# Altium PCB Metis 2023 (PCB) - Main.PcbDoc (part 1 of 2)
Units mm, origin at the board's own origin, x right, y up, seen from the top; angles counter-clockwise.
Board outline 177.99 x 118.99 mm, 2 copper layers (Top Layer, Bottom Layer); 121 components, 124 nets, 578 pads, 112 vias.
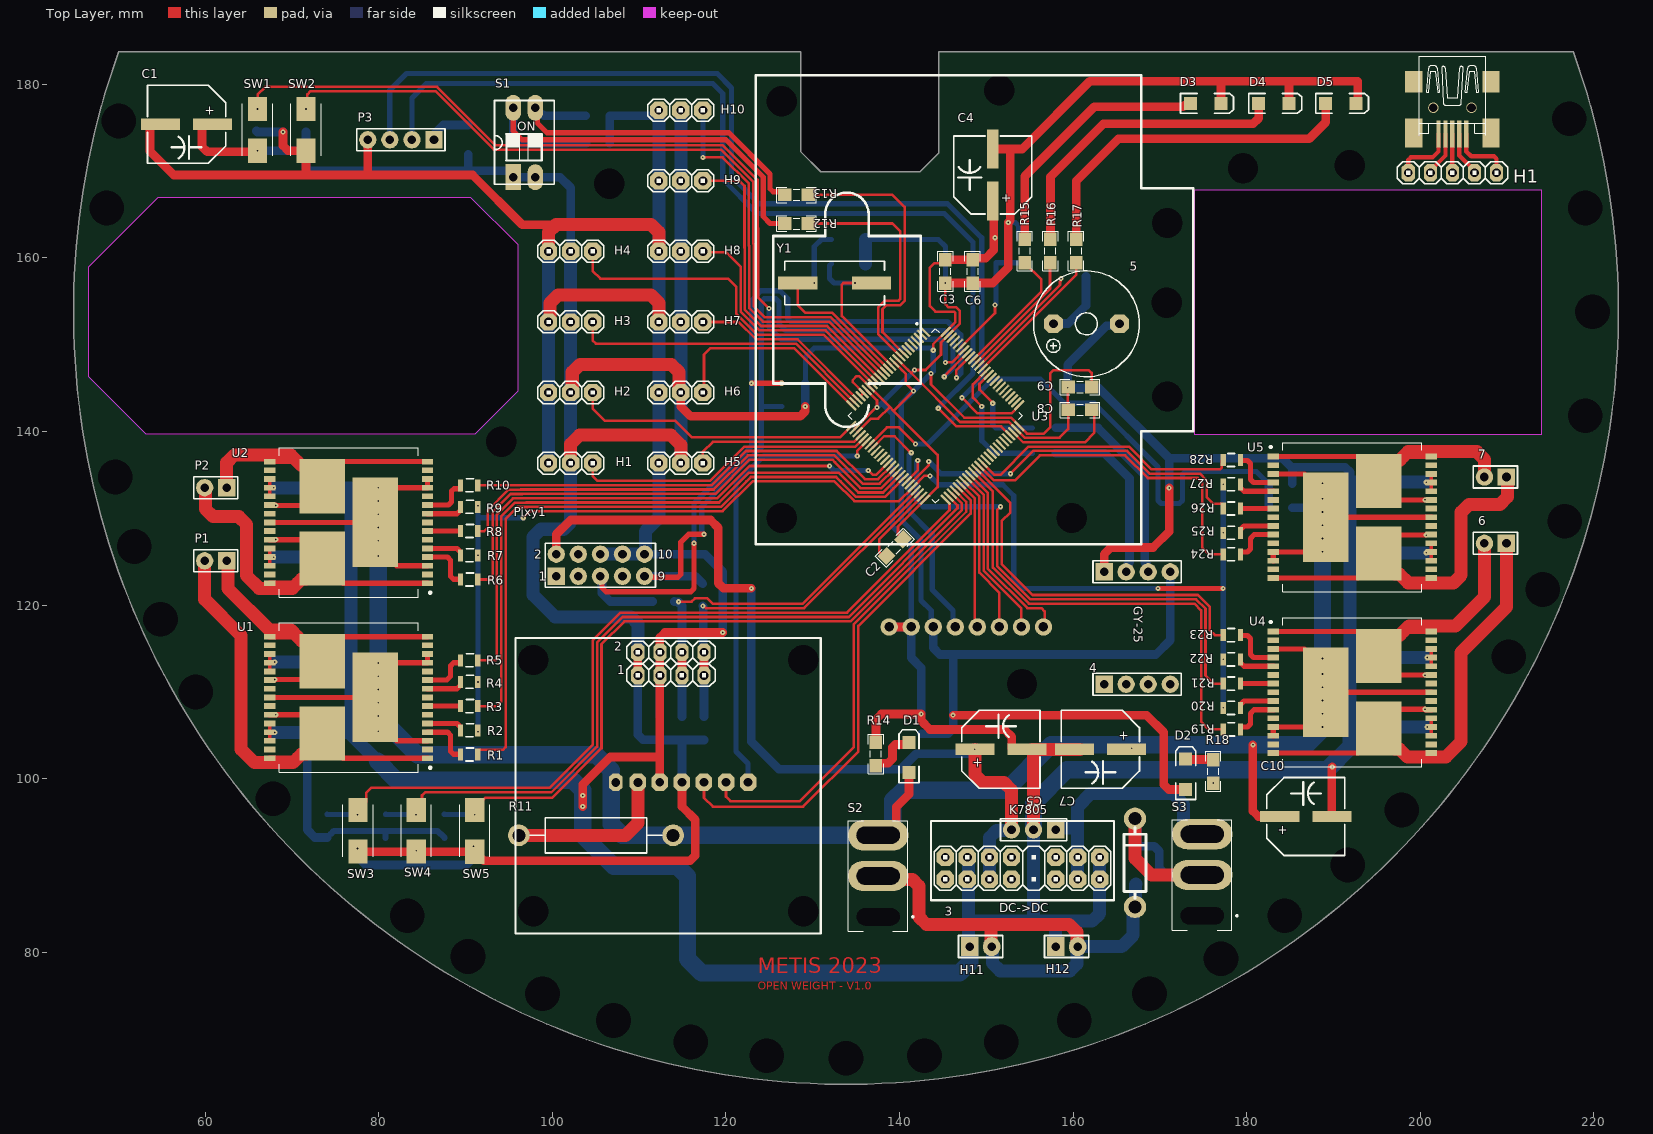
[diagram p0: Top Layer view]
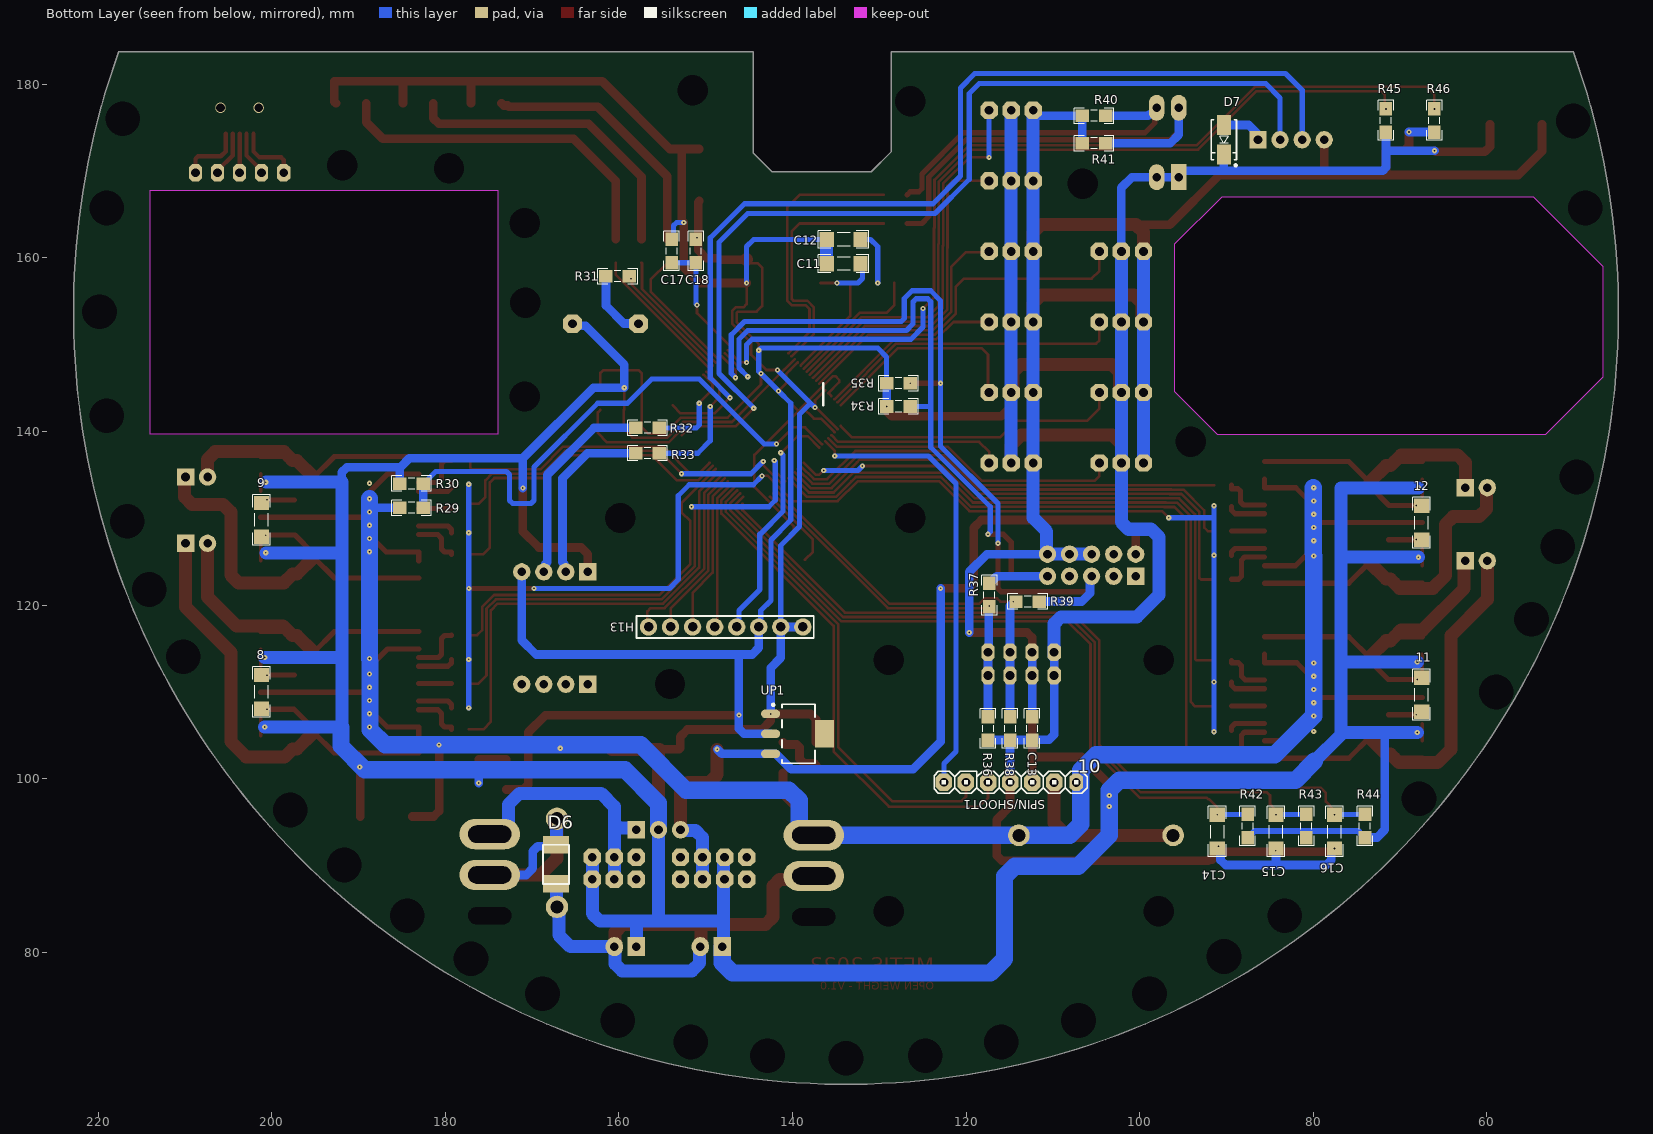
[diagram p1: Bottom Layer view, seen from below]
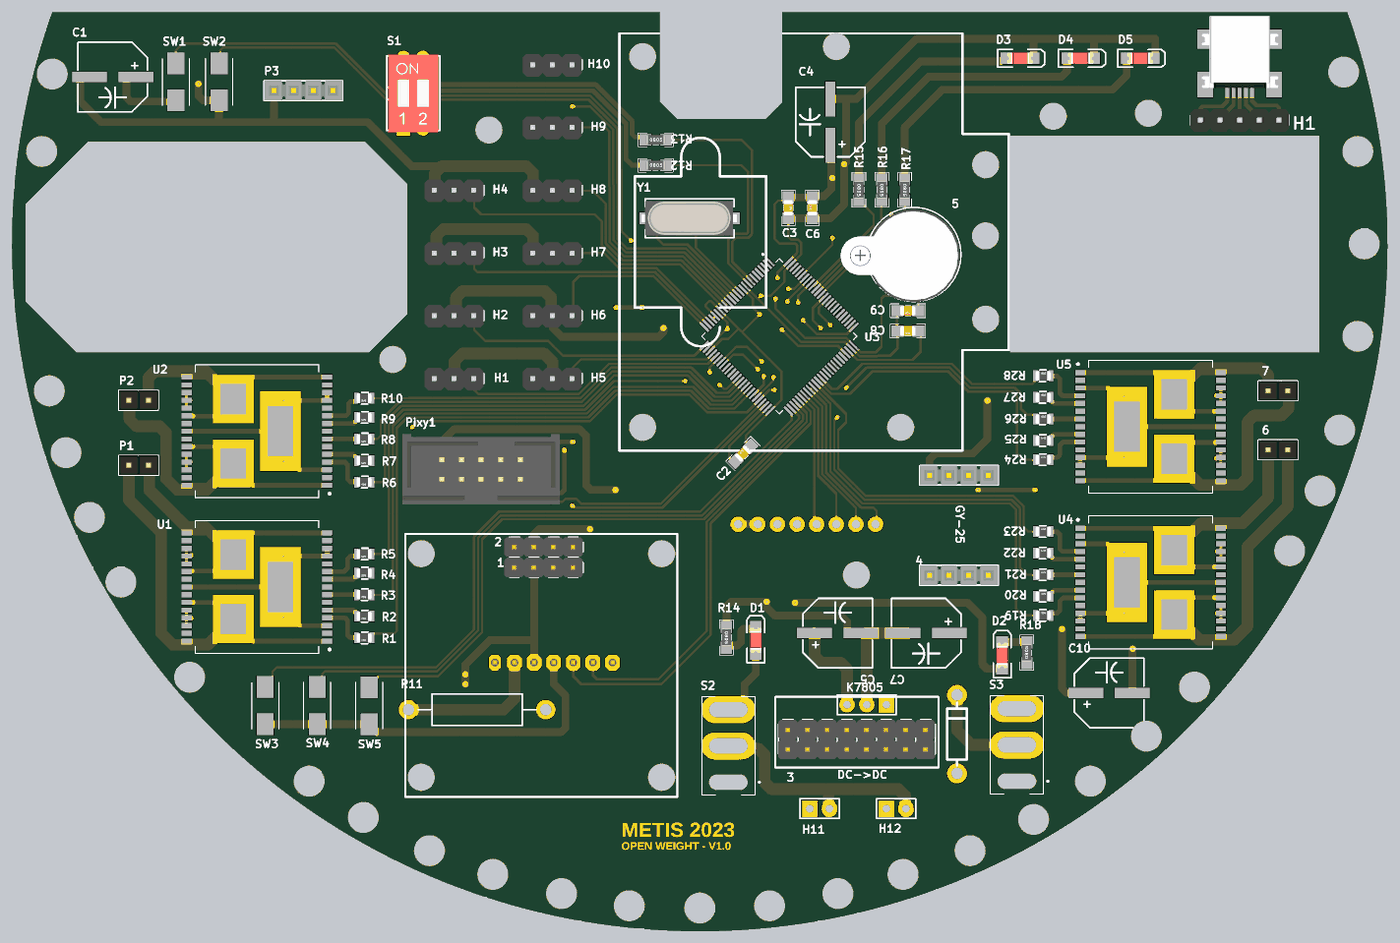
[diagram p3: 3D render of the assembled board from above, using the file's embedded part models]
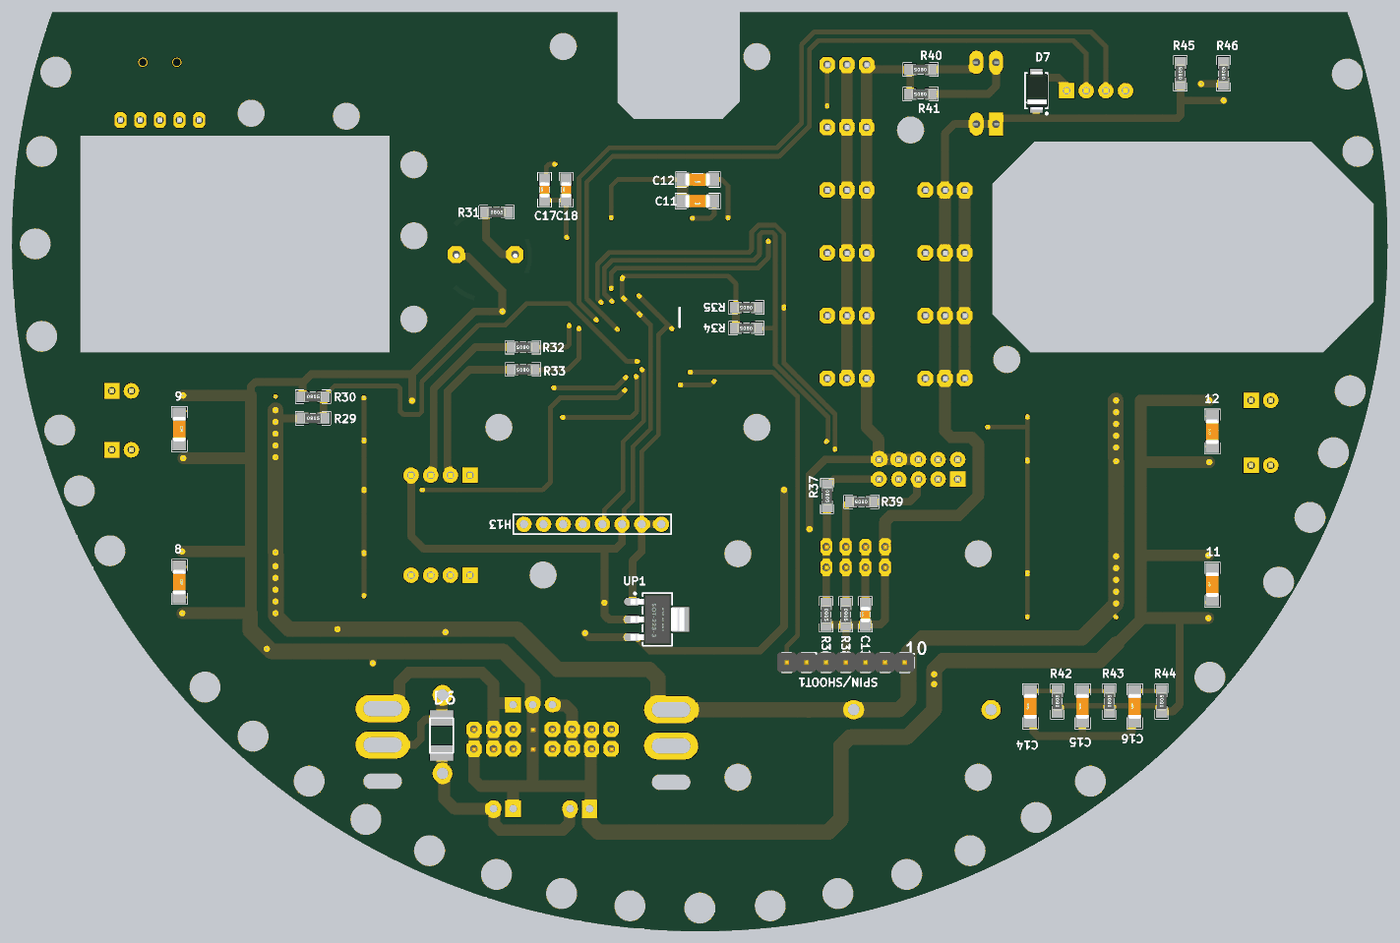
[diagram p4: 3D render of the assembled board from below, using the file's embedded part models]

## Layer stack, top to bottom
Top Solder: solder mask 0.0102, Solder Resist, Dk 3.5
Top Layer: signal copper 0.0356
Dielectric 1: dielectric 0.32, FR-4, Dk 4.8
Bottom Layer: signal copper 0.0356
Bottom Solder: solder mask 0.0102, Solder Resist, Dk 3.5

## Board outline
130.937,169.926 128.651,172.212 128.651,183.767 50.043,183.767 ccw(c133.838,153.777) 217.633,183.767 144.526,183.767 144.526,172.085 142.367,169.926
cut-out: 173.99,167.767 173.99,139.7 213.995,139.7 213.995,167.767
cut-out: 54.61,167.005 90.551,167.005 96.012,161.544 96.012,144.653 91.059,139.7 53.213,139.7 46.609,146.304 46.609,159.004

## Design rules (kind name [scope] priority, off if disabled: settings)
Clearance [All] p1: gap=0.03 ignorepadtopadclearanceinfootprint=FALSE except(0.2: Arc-Arc Arc-Track Arc-SMDPad Arc-THPad Arc-Via Arc-Fill Arc-Poly Arc-Region Arc-Text Arc-Hole Track-Track Track-SMDPad Track-THPad Track-Via Track-Fill Track-Poly Track-Region Track-Text Track-Hole)
PolygonConnect [All] p1: connectstyle=Relief reliefconductorwidth=0.254 reliefentries=4 polygonreliefangle="90 Angle" airgapwidth=0.254
RoutingVias [All] p1: holewidth=2 width=2 viastyle="Through Hole" minholewidth=0.1 minwidth=0.1 maxholewidth=0.711 maxwidth=1.27
SolderMaskExpansion [All] p1: expansion=0.102 istentingtop=FALSE
Width [All] p1: maxlimit=10 minlimit=0.1 preferedwidth=0.254
30 further rules are at their usual default settings.

## Components (designator, comment, footprint, x,y, rotation, side; value= is the part's Value field where it differs from the comment)
1 "Comment" My_1X04 113.665,111.887 r180 top
2 "Comment" My_1X04 113.665,114.554 r180 top
3 "Comment" My_2X08 154.178,89.662 r0 top
4 "Header 4" HDR1X4 163.576,110.871 r0 top
5 "Comment" My_Buzzer 161.544,152.4 r180 top
6 "Header 2" HDR1X2#1 209.931,127.111 r180 top (schematic designator P3)
7 "Header 2" HDR1X2#1 209.931,134.747 r180 top (schematic designator P4)
8 "0.1uF" CAPC4817X12N 201.192,109.994 r270 bottom (schematic designator C3)
9 "0.1uF" CAPC4817X12N 201.192,129.801 r270 bottom (schematic designator C4)
10 "Comment" My_1X02 109.855,99.568 r0 bottom
11 "0.1uF" CAPC4817X12N 67.51,109.663 r90 bottom (schematic designator C4)
12 "0.1uF" CAPC4817X12N 67.51,129.47 r90 bottom (schematic designator C3)
C1 "100nF" "Cap SMD 100UF 35~50v" 57.864,175.387 r0 top (schematic designator C10)
C2 "Comment" CAPC3413X12N 139.446,126.619 r45 top
C3 "Comment" CAPC3413X12N 145.288,158.449 r270 top
C4 "100nF" "Cap SMD 100UF 35~50v" 150.749,169.545 r270 top (schematic designator C10)
C5 "100nF" "Cap SMD 100UF 35~50v" 151.686,103.378 r180 top (schematic designator C6)
C6 "Comment" CAPC3413X12N 148.421,158.449 r90 top
C7 "100nF" "Cap SMD 100UF 35~50v" 163.147,103.378 r0 top
C8 "Comment" CAPC3413X12N 160.782,142.494 r180 top
C9 "Comment" CAPC3413X12N 160.782,145.121 r180 top
C10 "100nF" "Cap SMD 100UF 35~50v" 186.817,95.631 r180 top
C11 "0.1uF" CAPC4817X12N 134.112,159.32 r0 bottom
C12 "0.1uF" CAPC4817X12N 134.112,162.114 r0 bottom
C13 "Comment" CAPC3413X12N 112.395,105.791 r90 bottom
C14 "0.1uF" CAPC4817X12N 91.059,93.898 r90 bottom (schematic designator C12)
C15 "0.1uF" CAPC4817X12N 84.303,93.898 r90 bottom (schematic designator C12)
C16 "0.1uF" CAPC4817X12N 77.546,93.898 r90 bottom (schematic designator C12)
C17 "Comment" CAPC3413X12N 153.924,160.782 r90 bottom
C18 "Comment" CAPC3413X12N 151.13,160.782 r90 bottom
D1 "SMD 1206 LED" "LED 1206" 141.097,102.437 r90 top (schematic designator D2)
D2 "SMD 1206 LED" "LED 1206" 172.974,100.485 r90 top
D3 "SMD 1206 LED" "LED 1206" 175.288,177.8 r0 top (schematic designator D2)
D4 "SMD 1206 LED" "LED 1206" 183.134,177.8 r0 top (schematic designator D2)
D5 "SMD 1206 LED" "LED 1206" 190.853,177.8 r0 top (schematic designator D2)
D6 "Comment" SS3M(SMB) 167.259,90.17 r90 bottom
D7 "1n4007" DIOM4629X24N 90.297,173.609 r270 bottom (schematic designator D5)
DC->DC "" DIODE0.4 167.132,85.217 r90 top
GY-25 "Header 4" HDR1X4 163.576,123.825 r0 top
H1 "Comment" My_1X05 203.708,169.799 r0 top
H1 "Comment" My_1X03 102.108,136.357 r0 top
H2 "Comment" My_1X03 102.108,144.485 r0 top
H3 "Comment" My_1X03 102.108,152.613 r0 top
H4 "Comment" My_1X03 102.108,160.741 r0 top
H5 "Comment" My_1X03 114.808,136.357 r0 top
H6 "Comment" My_1X03 114.808,144.485 r0 top
H7 "Comment" My_1X03 114.808,152.613 r0 top
H8 "Comment" My_1X03 114.808,160.741 r0 top
H9 "Comment" My_1X03 114.808,168.869 r0 top
H10 "Comment" My_1X03 114.808,176.997 r0 top
H11 "Header 2" HDR1X2#2 148.082,80.645 r0 top
H12 "Header 2" HDR1X2#3 157.988,80.645 r0 top
H13 "Header 8" "HEADER 8" 138.811,117.475 r0 bottom (schematic designator *)
K7805 "Comment" HDR1X3 157.988,94.107 r180 top
P1 "Header 2" HDR1X2#1 62.484,125.095 r180 top (schematic designator P4)
P2 "Header 2" HDR1X2#1 62.484,133.52 r180 top (schematic designator P3)
P3 "Header 4" HDR1X4 86.36,173.609 r180 top (schematic designator P6)
Pixy1 "Comment" MY_HDR2X5 105.537,124.587 r0 top
R1 "Comment" MY_RES_SMD_0805 90.408,102.765 r180 top
R2 "Comment" MY_RES_SMD_0805 90.408,105.559 r180 top
R3 "Comment" MY_RES_SMD_0805 90.408,108.353 r180 top
R4 "Comment" MY_RES_SMD_0805 90.408,111.147 r180 top
R5 "Comment" MY_RES_SMD_0805 90.408,113.624 r180 top
R6 "Comment" MY_RES_SMD_0805 90.408,122.932 r180 top
R7 "Comment" MY_RES_SMD_0805 90.408,125.726 r180 top
R8 "Comment" MY_RES_SMD_0805 90.408,128.52 r180 top
R9 "Comment" MY_RES_SMD_0805 90.408,131.314 r180 top
R10 "Comment" MY_RES_SMD_0805 90.408,133.791 r180 top
R11 "Comment" AXIAL-0.7 105.029,93.472 r0 top
R12 "1K" RESC3413X04N 128.143,163.957 r0 top (schematic designator R23)
R13 "1K" RESC3413X04N 128.143,167.259 r0 top (schematic designator R23)
R14 "1K" RESC3413X04N 137.287,102.837 r270 top (schematic designator R22)
R15 "1K" RESC3413X04N 154.432,160.782 r270 top (schematic designator R23)
R16 "1K" RESC3413X04N 157.395,160.782 r270 top (schematic designator R23)
R17 "1K" RESC3413X04N 160.359,160.782 r270 top (schematic designator R23)
R18 "1K" RESC3413X04N 176.149,100.838 r90 top (schematic designator R22)
R19 "Comment" MY_RES_SMD_0805 178.294,105.673 r0 top
R20 "Comment" MY_RES_SMD_0805 178.294,108.15 r0 top
R21 "Comment" MY_RES_SMD_0805 178.294,110.944 r0 top
R22 "Comment" MY_RES_SMD_0805 178.294,113.738 r0 top
R23 "Comment" MY_RES_SMD_0805 178.294,116.532 r0 top
R24 "Comment" MY_RES_SMD_0805 178.294,125.84 r0 top
R25 "Comment" MY_RES_SMD_0805 178.294,128.317 r0 top
R26 "Comment" MY_RES_SMD_0805 178.294,131.111 r0 top
R27 "Comment" MY_RES_SMD_0805 178.294,133.905 r0 top
R28 "Comment" MY_RES_SMD_0805 178.294,136.699 r0 top
R29 "1K" RESC3413X04N 183.896,131.191 r180 bottom (schematic designator R34)
R30 "1K" RESC3413X04N 183.896,133.985 r180 bottom (schematic designator R34)
R31 "1K" RESC3413X04N 160.147,157.861 r180 bottom (schematic designator R23)
R32 "1K" RESC3413X04N 156.693,140.409 r0 bottom (schematic designator R23)
R33 "1K" RESC3413X04N 156.693,137.488 r0 bottom (schematic designator R23)
R34 "1K" RESC3413X04N 127.79,142.875 r0 bottom (schematic designator R35)
R35 "1K" RESC3413X04N 127.79,145.542 r0 bottom
R36 "1K" RESC3413X04N 117.475,105.791 r270 bottom (schematic designator R34)
R37 "1K" RESC3413X04N 117.323,121.136 r270 bottom (schematic designator R35)
R38 "1K" RESC3413X04N 114.935,105.791 r270 bottom (schematic designator R35)
R39 "1K" RESC3413X04N 112.903,120.396 r0 bottom (schematic designator R35)
R40 "1K" RESC3413X04N 105.25,173.187 r0 bottom (schematic designator R23)
R41 "1K" RESC3413X04N 105.25,176.362 r0 bottom (schematic designator R23)
R42 "1K" RESC3413X04N 87.554,94.533 r90 bottom (schematic designator R23)
R43 "1K" RESC3413X04N 80.797,94.533 r90 bottom (schematic designator R23)
R44 "1K" RESC3413X04N 74.041,94.533 r90 bottom (schematic designator R23)
R45 "1K" RESC3413X04N 71.628,175.846 r90 bottom (schematic designator R24)
R46 "1K" RESC3413X04N 66.04,175.846 r90 bottom (schematic designator R23)
S1 "DS2" "DIP Switch x2" 95.504,169.291 r0 top (schematic designator S2)
S2 "" SW_100SP1T1B4M2QE 137.541,88.773 r180 top (schematic designator S1)
S3 "" SW_100SP1T1B4M2QE 174.879,88.9 r180 top (schematic designator S1)
SPIN/SHOOT1 "Comment" My_1X06 116.205,99.568 r0 bottom
SW1 "RESET" SW_147873-1 66.04,174.752 r270 top (schematic designator SW2)
SW2 "RESET" SW_147873-1 71.628,174.752 r270 top (schematic designator SW1)
SW3 "RESET" SW_147873-1 77.597,93.993 r270 top (schematic designator SW1)
SW4 "RESET" SW_147873-1 84.328,93.993 r270 top (schematic designator SW2)
SW5 "RESET" SW_147873-1 91.059,93.98 r270 top (schematic designator SW1)
U1 "U4" IC_MULTIPOWERSO-30TR 76.527,109.353 r180 top (schematic designator U4)
U2 "U3" IC_MULTIPOWERSO-30TR 76.527,129.52 r180 top (schematic designator U3)
U3 "Comment" QFP50P1600X1600X160-100N 144.132,141.811 r315 top locked
U4 "U3" IC_MULTIPOWERSO-30TR 192.175,109.944 r0 top (schematic designator U3)
U5 "U4" IC_MULTIPOWERSO-30TR 192.176,130.111 r0 top (schematic designator U4)
UP1 "3V3" SOT223 139.319,105.156 r180 bottom
Y1 "12 MHz" "Crystal SMD" 132.526,157.099 r0 top
? "Comment" My_USB 203.708,177.292 r270 top

## Footprints (in the part's own frame and the unit in brackets; to place one, negate y for a bottom-side part, rotate by r counter-clockwise, add the part's x,y. Pads: shape width x height; smd on the part's side, far side on the other; paste and mask are expansions set on the pad)
AXIAL-0.7 [mm] "Axial Device, Thru-Hole; 2 Leads; 0.7 in Pin Spacing"
  round 2.5 hole 1.5: 1(-8.89,0) 2(8.89,0)
  silkscreen extent -7.62,-2.03 7.62,2.03
"Cap SMD 100UF 35~50v" [mm]
  rect 4.5x1.3 smd: 1(3,0) 2(-3,0)
  silkscreen extent -4.5,-4.5 4.5,4.5
CAPC3413X12N [mm] "Chip Capacitor, 2-Leads, Body 3/40x1/30mm, IPC Medium Density-Design:Abbas Basereh"
  rect 1.55x1.45 smd: 1(-1.35,0) 2(1.35,0)
  silkscreen extent -2.29,-0.89 2.29,0.89, body extent -1,-0.62 1,0.63, height 0.78
CAPC4817X12N [mm] "Chip Capacitor, 2-Leads, Body 4/80x1/70mm, IPC Medium Density-Design:Abbas Basereh"
  rect 1.65x1.75 smd: 1(-1.95,0) 2(1.95,0)
  silkscreen extent -2.92,-1.02 2.92,1.02, body extent -1.6,-0.8 1.6,0.8, height 1
"Crystal SMD" [mm] "DESIGNER ABBAS BASEREH"
  rect 4.5x1.5 smd: 1(-4.25,0) 2(4.25,0)
  silkscreen extent -5.75,-2.5 5.75,2.5, body extent -6.21,-2.25 6.09,2.25, height 5.18
DIODE0.4 [mm]
  round 2.575 hole 1.5: 17(0,0) 18(10.16,0)
  silkscreen extent 1.02,-1.27 9.14,1.27
DIOM4629X24N [mm] "Molded Diode, 2-Leads, Body 4/60x2/90mm, IPC Medium Density-Design:Abbas Basereh"
  rect 2.3x1.6 smd: 1(-1.7,0) 2(1.7,0)
  silkscreen extent -2.3,-1.45 3.07,1.47, body extent -2.5,-1.22 2.5,1.48, height 2.2
"DIP Switch x2" [mm] "Switch DIP 2 way flat slide Thru-Hole-Design:Ali Hafizi"
  rect 1.8x3 hole 1: 1(0,0)
  oval 1.8x3 hole 1: 2(2.54,0) 3(2.54,8) 4(0,8)
  silkscreen extent -2.16,-0.82 4.71,8.83, body extent -1.98,-1.03 4.52,8.97, height 6.91
HDR1X2#1 [mm] "Connector; Header; 2 Position"
  rect 2x2 hole 1: 1(0,0)
  round 2 hole 1: 2(2.54,0)
  silkscreen extent -1.27,-1.27 3.81,1.27, body extent -1.27,-1.28 3.81,1.26, height 8.79
HDR1X2#2 [mm]
  rect 2x2.2 hole 1: 1(0,0)
  oval 2x2.2 hole 1: 2(2.54,0)
  silkscreen extent -1.27,-1.27 3.81,1.27
HDR1X2#3 [mm]
  rect 2x2.2 hole 1: 63(0,0)
  oval 2x2.2 hole 1: 64(2.54,0)
  silkscreen extent -1.27,-1.27 3.81,1.27
HDR1X3 [mm] "Connector; Header; 3 Position"
  rect 2x2 hole 1: 1(0,0)
  round 2 hole 1: 2(2.54,0) 3(5.08,0)
  silkscreen extent -1.27,-1.27 6.35,1.27
HDR1X4 [mm] "Connector; Header; 4 Position"
  rect 2x2 hole 1: 1(0,0)
  round 2 hole 1: 2(2.54,0) 3(5.08,0) 4(7.62,0)
  silkscreen extent -1.27,-1.27 8.89,1.27, body extent -1.27,-1.28 8.89,1.26, height 8.38
"HEADER 8" [mm]
  round 2 hole 1.1: 1(0,0) 2(2.54,0) 3(5.08,0) 4(7.62,0) 5(10.16,0) 6(12.7,0) 7(15.24,0) 8(17.78,0)
  silkscreen extent -1.27,-1.27 19.18,1.27
IC_MULTIPOWERSO-30TR [mm]
  rect 1.3x0.665 smd: 1(-9.1,7) 2(-9.1,6) 3(-9.1,5) 4(-9.1,4) 5(-9.1,3) 6(-9.1,2) 7(-9.1,1) 8(-9.1,0) 9(-9.1,-1) 10(-9.1,-2) 11(-9.1,-3) 12(-9.1,-4) 13(-9.1,-5) 14(-9.1,-6) 15(-9.1,-7) 16(9.1,-7) 17(9.1,-6) 18(9.1,-5) 19(9.1,-4) 20(9.1,-3) 21(9.1,-2) 22(9.1,-1) 23(9.1,0) 24(9.1,1) 25(9.1,2) 26(9.1,3) 27(9.1,4) 28(9.1,5) 29(9.1,6) 30(9.1,7)
  rect 5.25x10.3 smd paste-6: HS1(-3.05,0)
  rect 5.25x6.23 smd paste-4: HS2(3.05,4.165) HS3(3.05,-4.165)
  silkscreen extent -9.5,-8.6 8,8.6
"LED 1206" [mm]
  rect 1.5x1.5 smd: 1(-1.75,0) 2(1.75,0)
  silkscreen extent -2.9,-1.15 3.2,1.15, body extent -1.65,-0.72 1.65,0.73, height 1.36
My_1X02 [mil]
  oct 60x80 hole 40: 1(-100,0) 2(0,0)
  silkscreen extent -150,-50 50,50, body extent -149,-51 51,49, height 234
My_1X03 [mm]
  oct 2x2 hole 1.016: 1(-2.54,0) 2(0,0) 3(2.54,0)
  silkscreen extent -3.81,-1.27 3.81,1.27, body extent -3.86,-1.55 3.76,1.37, height 8.51
My_1X04 [mil]
  oct 60x80 hole 40: 1(-150,0) 2(-50,0) 3(50,0) 4(150,0)
  silkscreen extent -200,-50 200,50, body extent -198,-49 202,51, height 234
My_1X05 [mil]
  oct 60x80 hole 40: 1(-200,0) 2(-100,0) 3(0,0) 4(100,0) 5(200,0)
  silkscreen extent -250,-50 250,50, body extent -250,-59 250,56, height 335
My_1X06 [mm]
  oct 1.9x2.032 hole 1: 1(-6.35,0) 2(-3.81,0) 3(-1.27,0) 4(1.27,0) 5(3.81,0) 6(6.35,0)
  silkscreen extent -7.62,-1.27 7.49,1.27, body extent -7.62,-1.3 7.62,1.24, height 5.94
My_2X08 [mm]
  oct 2x2 hole 1: 1(-8.89,-1.27) 2(-8.89,1.27) 3(-6.35,-1.27) 4(-6.35,1.27) 5(-3.81,-1.27) 6(-3.81,1.27) 7(-1.27,-1.27) 8(-1.27,1.27) 11(3.81,-1.27) 12(3.81,1.27) 13(6.35,-1.27) 14(6.35,1.27) 15(8.89,-1.27) 16(8.89,1.27)
  silkscreen extent -10.16,-2.54 10.16,2.54, body extent -10.21,-2.6 10.11,2.48, height 5.94
My_Buzzer [mil]
  oct 85x85 hole 40: +(150,0) -(-150,0)
  silkscreen extent -240,-240 240,240, body extent -235,-230 373,242, height 177
MY_HDR2X5 [mm]
  rect 2x2 hole 1: 1(-5.08,-1.27)
  round 2 hole 1: 2(-5.08,1.27) 3(-2.54,-1.27) 4(-2.54,1.27) 5(0,-1.27) 6(0,1.27) 7(2.54,-1.27) 8(2.54,1.27) 9(5.08,-1.27) 10(5.08,1.27)
  silkscreen extent -6.35,-2.54 6.35,2.54, body extent -10.16,-4.57 10.16,4.57, height 9.86
MY_RES_SMD_0805 [mm]
  rect 0.6x1.4 smd: 1(-1,0) 2(1,0)
  silkscreen extent -0.5,-0.75 0.35,0.75, body extent -1,-0.62 1,0.63, height 0.78
My_USB [mm]
  rect 3.1x0.5 smd: 1(3,1.6) 2(3,0.8) 3(3,0) 4(3,-0.8) 5(3,-1.6)
  rect 2.5x2 smd: 5(-3,4.45) 5(-3,-4.45)
  rect 3.3x2 smd: 5(2.9,4.45) 5(2.9,-4.45)
  round 1.2 hole 1 unplated: ""(0,2.2) ""(0,-2.2)
  silkscreen extent -5.92,-3.85 3.16,3.85, body extent -5.87,-4.9 3.37,5, height 3.93
QFP50P1600X1600X160-100N [mm]
  rrect50% 1.56x0.28 smd: 1(-7.68,6) 2(-7.68,5.5) 3(-7.68,5) 4(-7.68,4.5) 5(-7.68,4) 6(-7.68,3.5) 7(-7.68,3) 8(-7.68,2.5) 9(-7.68,2) 10(-7.68,1.5) 11(-7.68,1) 12(-7.68,0.5) 13(-7.68,0) 14(-7.68,-0.5) 15(-7.68,-1) 16(-7.68,-1.5) 17(-7.68,-2) 18(-7.68,-2.5) 19(-7.68,-3) 20(-7.68,-3.5) 21(-7.68,-4) 22(-7.68,-4.5) 23(-7.68,-5) 24(-7.68,-5.5) 25(-7.68,-6) 51(7.68,-6) 52(7.68,-5.5) 53(7.68,-5) 54(7.68,-4.5) 55(7.68,-4) 56(7.68,-3.5) 57(7.68,-3) 58(7.68,-2.5) 59(7.68,-2) 60(7.68,-1.5) 61(7.68,-1) 62(7.68,-0.5) 63(7.68,0) 64(7.68,0.5) 65(7.68,1) 66(7.68,1.5) 67(7.68,2) 68(7.68,2.5) 69(7.68,3) 70(7.68,3.5) 71(7.68,4) 72(7.68,4.5) 73(7.68,5) 74(7.68,5.5) 75(7.68,6)
  rrect50% 0.28x1.56 smd: 26(-6,-7.68) 27(-5.5,-7.68) 28(-5,-7.68) 29(-4.5,-7.68) 30(-4,-7.68) 31(-3.5,-7.68) 32(-3,-7.68) 33(-2.5,-7.68) 34(-2,-7.68) 35(-1.5,-7.68) 36(-1,-7.68) 37(-0.5,-7.68) 38(0,-7.68) 39(0.5,-7.68) 40(1,-7.68) 41(1.5,-7.68) 42(2,-7.68) 43(2.5,-7.68) 44(3,-7.68) 45(3.5,-7.68) 46(4,-7.68) 47(4.5,-7.68) 48(5,-7.68) 49(5.5,-7.68) 50(6,-7.68) 76(6,7.68) 77(5.5,7.68) 78(5,7.68) 79(4.5,7.68) 80(4,7.68) 81(3.5,7.68) 82(3,7.68) 83(2.5,7.68) 84(2,7.68) 85(1.5,7.68) 86(1,7.68) 87(0.5,7.68) 88(0,7.68) 89(-0.5,7.68) 90(-1,7.68) 91(-1.5,7.68) 92(-2,7.68) 93(-2.5,7.68) 94(-3,7.68) 95(-3.5,7.68) 96(-4,7.68) 97(-4.5,7.68) 98(-5,7.68) 99(-5.5,7.68) 100(-6,7.68)
  silkscreen extent -9.1,-7.1 7.1,7.1
RESC3413X04N [mm] "Chip Resistor, 2-Leads, Body 3/40x1/30mm, IPC Medium Density-Design:Abbas Basereh"
  rect 1.55x1.45 smd: 1(-1.35,0) 2(1.35,0)
  silkscreen extent -2.29,-0.89 2.29,0.89, body extent -1.25,-0.62 1.25,0.62, height 0.79
SOT223 [mm] "SOT223, 4-Leads, Body 6.5x3.5mm, Pitch 2.30mm-Designer Abbas Basereh"
  oval 2.2x1 smd: 1(-3.2,2.3) 2(-3.2,0) 3(-3.2,-2.3)
  rect 2.2x3.2 smd: 4(3,0)
  Top Layer pour cut-out: -1.7,3.556 1.7,3.556 1.7,-3.556 -1.7,-3.556
  silkscreen extent -3.03,-3.4 1.9,3.47, body extent -3.5,-3.25 3.5,3.25, height 1.7
SS3M(SMB) [mm]
  rect 2x3 smd: 1(-2.3,0) 2(2.2,0)
  silkscreen extent -2.3,-1.5 2.2,1.5
SW_100SP1T1B4M2QE [mm]
  rect 0x0 hole 2 slot 5 at 0 deg: 1(0,4.7)
  oval 7x3.5 hole 2 slot 5 at 0 deg: 2(0,0) 3(0,-4.7)
  silkscreen extent -4.1,-6.35 3.43,6.35
SW_147873-1 [mm]
  rect 2.8x2.2 smd: 1(-2.4,0) 2(2.4,0)
  silkscreen extent -3,-1.75 3,1.75

## Part data
4 GY-25 P3: "Header, 4-Pin", LatestRevisionDate=17-Jul-2002, LatestRevisionNote="Re-released for DXP Platform.", Publisher="Altium Limited"
6 7 P1 P2: "Header, 2-Pin", LatestRevisionDate=17-Jul-2002, LatestRevisionNote="Re-released for DXP Platform.", Publisher="Altium Limited"
8 9 11 12 C11 C12 C14 C15 C16: library part "CAP SMD 1206", "CAP 1206", Data=16-12-2016, Desc.="CAP SMD 1206", Designer="Abbas Basereh"
C1 C4 C5 C7 C10: library part "CAP SMD PACKAGE", "TOTAL CAPACITOR SMD PACK", Data=2017-3-10, Desc.="CAP SMD TOTAL PACKAGES", Designer="Abbas Basereh"
D1 D2 D3 D4 D5: library part "LED SMD 1206"
D7: library part "1n4007 SMD M7", "Standard Rectifiers", Manufacturer="DC COMPONENTS", Data=16-12-2016, Designer="Abbas Basereh", Link=http://www.tme.eu/en/details/m7/smd-universal-diodes/dc-components/, Part. No=M7
R12 R13 R14 R15 R16 R17 R18 R29 R30 R31 R32 R33 R34 R35 R36 R37 R38 R39 R40 R41 R42 R43 R44 R45 R46: library part "RES 0805 0.125W", "RES 0805", Data=16-12-2016, Desc.="RES SMD 0805", Designer="Abbas Basereh"
S1: library part "DIP Switch 2", "2 BIT DIP Switch"
S2 S3: library part 100SP1T1B4M2QE, "Toggle Switch SPDT Through Hole", Package=None, Availability=Unavailable, MP=100SP1T1B4M2QE, Price=None
SW1 SW2 SW3 SW4 SW5: library part 147873-1, "Switch Tactile OFF (ON) SPST Rectangular Button J-Bend 0.05A 24VDC 1.77N SMD T/R", Package=None, Availability=Unavailable, MF="TE Connectivity", MP=147873-1, Price=None, SnapEDA_Link=https://www.snapeda.com/parts/147873-1/TE%20Connectivity%20ALCOSWITCH%20Switches/view-part/2549694/?ref=snap
U1 U2 U4 U5: library part VNH5019A-E, "Motor Driver Power MOSFET Parallel, PWM MultiPowerSO-30", Package="PowerSOP-30 STMicroelectronics", Availability=Unavailable, MF=STMicroelectronics, MP=VNH5019A-E, Price=None, SnapEDA_Link=https://www.snapeda.com/parts/VNH5019A-E/STMicroelectronics/view-part/231156/?ref=snap
UP1: library part AMS1117-x.x, "x.x Volt, 800mA Low-Dropout Linear Regulator, 4-pin SOT-223", Data=16-12-2016, Designer="Ali Hafizi"
Y1: library part XTAL, "XTAL Crystal", ComponentLink1Description=Datasheet, ComponentLink2Description=Reference, Design Date=2017-1-3, Designer="ABBAS BASEREH", Mounting Technology="Surface Mount\Through-Hole", Status=Unreleased

## Free pads (board coordinates)
  round 0 hole 4: 1(48.675,165.746) 1(49.657,134.747) 1(50.038,175.768) 1(51.816,126.746) 1(54.864,118.364) 1(58.928,109.982) 1(67.818,97.663) 1(83.288,84.202) 1(90.297,79.502) 1(98.859,75.212) 1(107.061,72.136) 1(115.958,69.656) 1(124.714,68.072) 1(133.838,67.777) 1(142.875,68.072) 1(151.718,69.656) 1(160.147,72.136) 1(168.817,75.212) 1(177.038,79.248) 1(184.388,84.202) 1(191.643,90.043) 1(197.866,96.393) 1(210.185,114.046) 1(214.122,121.793) 1(216.662,129.667) 1(217.17,176.022) 1(219.001,141.808) 1(219.001,165.746) 1(219.838,153.777)
  round 0 hole 3.5: 1(94.107,138.811) 1(106.553,168.529) 1(126.44,130.023) 1(126.44,178.023) 1(151.511,179.324) 1(154.11,110.898) 1(159.84,130.023) 1(170.815,154.813) 1(170.84,144.023) 1(170.84,164.023) 1(179.578,170.307) 1(191.897,170.688)
  round 1.524 hole 3.5: 3(97.79,84.709) 3(97.79,113.665) 3(128.905,84.709) 3(128.905,113.665)

## Via types
v1: diameter 0.6, hole 0.2, Top Layer to Bottom Layer, 112 vias

## Nets (pads, with @x,y where several pads share a name; then routed paths per layer and width w, separated by ;. In a path a pad name is that pad's centre, name@x,y a point inside that pad or via, vN(x,y) a via of type N, cw(c..) or ccw(c..) an arc to the next point about the centre after c; other vN are vias at no path point)
3V3: 
5V: 3.5 3.6 C5.1 K7805.3 Pixy1.2 UP1.3 | length 98.6
  Top Layer w1: Pixy1.2@100.457,125.857 100.457,128.143 102.108,129.794 118.237,129.794 119.126,128.905 119.126,122.506 119.712,121.92 v1(122.936,121.92)
  Top Layer w1.5: v1(148.686,103.378) 148.686,100.447 149.565,99.568 152.029,99.568 152.908,98.689 K7805.3@152.908,94.107
  Bottom Layer w1: Pixy1.2@100.266,125.666 Pixy1.2@100.457,125.857 ; v1(122.936,121.92) 122.936,104.267 126.111,101.092 140.155,101.092 141.919,102.856 UP1.3@142.519,102.856 148.164,102.856 v1(148.686,103.378)
  Bottom Layer w1.5: 3.5@150.368,88.392 3.6@150.368,90.932 150.368,93.218 151.161,94.011 152.812,94.011 K7805.3@152.908,94.107
+12V: 10.1 C7.1 C10.1 D1.1 R11.2 R29.1 S2.3 U1.3 U1.12 U1.13 U1.23 U1.HS1 U2.3 U2.12 U2.13 U2.23 U2.HS1 U4.3 U4.12 U4.13 U4.23 U4.HS1 U5.3 U5.12 U5.13 U5.23 U5.HS1 | length 329.2
  Top Layer w0.6: U1.23@67.427,109.353 U1.HS1@79.577,109.353 ; U2.23@67.427,129.52 U2.HS1@79.577,129.52 ; v1(79.956,111.792) 79.577,111.413 U1.HS1@79.577,110.728 ; U1.3@85.627,104.353 82.052,104.353 79.577,106.828 U1.HS1@79.577,109.353 ; U1.13@85.627,114.353 U1.12@85.627,113.353 81.902,113.353 79.577,111.028 U1.HS1@79.577,110.728 ; U2.3@85.627,124.52 82.052,124.52 79.577,126.995 U2.HS1@79.577,129.52 ; U2.13@85.627,134.52 U2.12@85.627,133.52 82.011,133.52 79.577,131.086 U2.HS1@79.577,129.52 ; U4.13@183.075,104.944 U4.12@183.075,105.944 186.691,105.944 189.125,108.378 U4.HS1@189.125,109.944 ; U4.3@183.075,114.944 186.65,114.944 189.125,112.469 U4.HS1@189.125,109.944 ; U5.13@183.076,125.111 U5.12@183.076,126.111 186.801,126.111 189.126,128.436 U5.HS1@189.126,128.736 ; U5.3@183.076,135.111 186.651,135.111 189.126,132.636 U5.HS1@189.126,130.111 ; v1(188.746,127.672) 189.126,128.051 U5.HS1@189.126,128.736 ; U4.23@201.275,109.944 U4.HS1@189.125,109.944 ; U5.23@201.276,130.111 U5.HS1@189.126,130.111 ; U1.HS1@79.577,109.353 U1.HS1@79.577,110.728 ; U5.HS1@189.126,128.736 U5.HS1@189.126,130.111
  Top Layer w1: S2.3@137.541,93.473 138.469,93.473 139.624,94.628 139.624,96.723 141.097,98.196 D1.1@141.097,100.687 ; v1(180.721,103.886) 180.721,96.266 181.356,95.631 C10.1@183.817,95.631
  Bottom Layer w1: R29.1@185.246,131.191 188.275,131.191 v1(188.746,130.72)
  Bottom Layer w2: v1(79.956,125.635) v1(79.956,113.316) v1(79.956,111.792) v1(79.956,110.268) v1(79.956,108.744) v1(79.956,107.22) 84.433,102.743 105.029,102.743 106.807,100.965 106.807,94.742 108.076,93.473 119.533,93.473 119.566,93.441 119.983,93.441 120.015,93.473 S2.3@137.541,93.473 138.551,93.473 139.244,94.166 139.244,97.507 140.416,98.679 152.273,98.679 157.48,103.886 186.944,103.886 188.683,105.625 188.683,113.448 ; 80.019,126.016 v1@80.019,133.509 ; v1(188.746,113.829) v1(188.746,127.672) v1(188.746,129.196) v1(188.746,130.72) v1(188.746,132.244)
  other v1: 166.751,103.505 79.956,105.442 188.746,105.955 188.746,107.479 188.746,109.003 188.746,110.527 188.746,112.051 188.746,126.148 79.956,127.413 79.956,128.937 79.956,130.461 79.956,131.985 79.956,133.509 188.746,134.022
ADC: 
ADC0: H7.3 U3.23 | length 21.5
  Top Layer w0.3: H7.3@117.348,152.613 121.453,152.613 123.444,150.622 128.25,150.622 U3.23@135.166,143.706
ADC1: H3.3 U3.24 | length 35.2
  Top Layer w0.3: H3.3@104.648,152.613 104.648,150.495 105.029,150.114 128.051,150.114 U3.24@134.812,143.353
ADC2: H6.3 U3.25 | length 24.4
  Top Layer w0.3: H6.3@117.348,144.485 117.475,144.612 117.475,148.844 118.237,149.606 127.852,149.606 U3.25@134.459,142.999
ADC3: H2.3 U3.26 | length 33.6
  Top Layer w0.3: H2.3@104.648,144.485 104.648,142.621 106.045,141.224 114.173,141.224 116.078,139.319 133.154,139.319 U3.26@134.459,140.623
ADC4: H5.3 U3.29 | length 20.3
  Top Layer w0.3: H5.3@117.348,136.357 117.348,137.668 118.491,138.811 134.767,138.811 U3.29@135.519,139.563
ADC5: H1.3@104.648,136.357 U3.30 | length 35
  Top Layer w0.3: H1.3@104.648,136.357 104.648,134.874 105.212,134.31 118.184,134.31 122.121,138.247 134.911,138.247 U3.30@135.873,139.209
ADC6: 
ADC7: 
ADC8: 
ADC9: 
ADC10: H10.3 U3.15 | length 44.8
  Top Layer w0.3: v1(117.348,171.577) 119.634,171.577 122.645,168.566 122.645,161.418 122.69,161.373 122.69,154.225 124.261,152.654 131.875,152.654 U3.15@137.994,146.535
  Bottom Layer w0.6: v1(117.348,171.577) H10.3@117.348,176.997
ADC11: H9.3 U3.16 | length 38
  Top Layer w0.3: H9.3@117.348,168.869 121.58,168.869 122.145,168.304 122.145,161.183 122.19,161.138 122.19,154.018 124.062,152.146 131.676,152.146 U3.16@137.641,146.181
ADC12: H8.3 U3.17 | length 29.1
  Top Layer w0.3: H8.3@117.348,160.741 117.434,160.655 120.015,160.655 121.69,158.98 121.69,153.811 123.863,151.638 131.477,151.638 U3.17@137.287,145.828
ADC13: H4.3 U3.18 | length 41.7
  Top Layer w0.3: H4.3@104.648,160.741 104.648,158.496 105.537,157.607 120.269,157.607 121.19,156.686 121.19,153.604 123.664,151.13 131.278,151.13 U3.18@136.933,145.474
ADC14: 
ADD0: H13.8 U3.59 | length 22.3
  Top Layer w0.3: U3.59@148.148,134.967 150.193,132.922 150.193,124.165 154.724,119.634 156.337,119.634 156.718,119.253 156.718,117.602 H13.8@156.591,117.475 H13.8@156.591,117.767
ADD1: H13.7 U3.58 | length 20.5
  Top Layer w0.3: U3.58@147.795,134.613 149.693,132.715 149.693,123.958 154.051,119.6 H13.7@154.051,116.713
ADD2: H13.6 U3.57 | length 18.5
  Top Layer w0.3: U3.57@147.441,134.259 149.193,132.508 149.193,123.73 151.511,121.412 H13.6@151.511,117.475
ADD3: H13.5 U3.56 | length 17.2
  Top Layer w0.3: U3.56@147.088,133.906 148.693,132.3 148.693,117.753 H13.5@148.971,117.475
BAT_Volt: R29.2 R30.2 U3.32 | length 65.5
  Top Layer w0.3: U3.32@136.58,138.502 138.54,140.462 139.954,140.462 v1(141.859,138.557)
  Bottom Layer w0.6: v1(141.859,138.557) 143.256,138.557 150.749,146.05 156.21,146.05 159.004,143.256 162.433,143.256 169.799,135.89 169.799,132.05 170.15,131.699 172.242,131.699 172.593,132.05 172.593,135.031 172.944,135.382 181.099,135.382 182.496,133.985 R30.2@182.546,133.985
  Bottom Layer w1: R29.2@182.546,131.191 R30.2@182.546,133.985
BOOT0: R46.2 SW1.1 U3.94 | length 107.5
  Top Layer w0.3: v1(66.04,177.152) 66.05,177.162 66.05,178.826 66.929,179.705 86.741,179.705 93.48,172.966 119.659,172.966 123.645,168.98 123.645,163.447 123.698,163.394 123.698,155.448 v1(124.968,154.178) ; v1(145.288,147.955) 145.293,147.96 146.038,147.96 U3.94@147.441,149.363
  Bottom Layer w0.6: v1(124.968,154.178) 124.968,152.019 126.365,150.622 144.653,150.622 145.288,149.987 v1(145.288,147.955)
BOOT1: 
BUZZ: 5.+ R31.1 | length 8
  Bottom Layer w1: 5.+@157.734,152.4 157.779,152.445 159.43,152.445 161.497,154.512 R31.1@161.497,157.861
BUZZER: R31.2 U3.89 | length 13.9
  Top Layer w0.3: U3.89@149.209,147.595 158.496,156.883 158.496,157.226 158.566,157.296 158.566,157.55 v1(158.623,157.607)
DIPSW1: R12.2 U3.9 | length 28.4
  Top Layer w0.3: R12.2@129.493,163.957 139.192,163.957 140.081,163.068 140.081,155.243 139.905,155.067 138.303,155.067 137.541,154.305 137.541,151.231 U3.9@140.115,148.656
DIPSW2: R13.2 U3.8 | length 31.5
  Top Layer w0.3: R13.2@129.493,167.259 133.255,167.259 133.258,167.262 139.189,167.262 140.589,165.862 140.589,155.044 140.104,154.559 138.502,154.559 138.049,154.106 138.049,151.43 U3.8@140.469,149.01
DIPSW_1: R12.1 R40.1 S1.4 | length 53
  Top Layer w0.6: S1.4@95.504,177.291 95.504,174.625 96.513,173.616 120.008,173.616 124.295,169.329 124.295,164.757 125.095,163.957 R12.1@126.793,163.957
  Bottom Layer w1: S1.4@95.504,177.291 95.504,174.195 96.511,173.187 R40.1@103.9,173.187
DIPSW_2: R13.1 R41.1 S1.3 | length 41.2
  Top Layer w0.6: S1.3@98.044,177.291 98.255,177.08 98.255,175.557 99.396,174.416 120.351,174.416 125.095,169.672 125.095,167.964 125.446,167.612 126.44,167.612 R13.1@126.793,167.259
  Bottom Layer w1: S1.3@98.044,177.291 98.044,176.907 98.414,176.538 98.854,176.538 99.03,176.362 R41.1@103.85,176.362
ENA_1: R7.2 U2.5 | length 4.3
  Top Layer w0.6: U2.5@85.627,126.52 89.014,126.52 89.408,126.126 R7.2@89.408,125.726
ENA_2: R2.2 U1.5 | length 4.3
  Top Layer w0.6: U1.5@85.627,106.353 89.014,106.353 89.408,105.959 R2.2@89.408,105.559
ENA_3: R22.2 U4.5 | length 4.3
  Top Layer w0.6: R22.2@179.294,113.738 179.294,113.338 179.688,112.944 U4.5@183.075,112.944
ENA_4: R27.2 U5.5 | length 4.3
  Top Layer w0.6: R27.2@179.294,133.905 179.294,133.505 179.688,133.111 U5.5@183.076,133.111
ENB_1: R9.2 U2.9 | length 4.3
  Top Layer w0.6: U2.9@85.627,130.52 89.014,130.52 89.408,130.914 R9.2@89.408,131.314
ENB_2: R4.2 U1.9 | length 4.3
  Top Layer w0.6: U1.9@85.627,110.353 89.014,110.353 89.408,110.747 R4.2@89.408,111.147
ENB_3: R20.2 U4.9 | length 4.3
  Top Layer w0.6: R20.2@179.294,108.15 179.294,108.55 179.688,108.944 U4.9@183.075,108.944
ENB_4: R25.2 U5.9 | length 4.3
  Top Layer w0.6: R25.2@179.294,128.317 179.294,128.717 179.688,129.111 U5.9@183.076,129.111